# KiCad board Interrupter v1.2.kicad_pcb (continued)
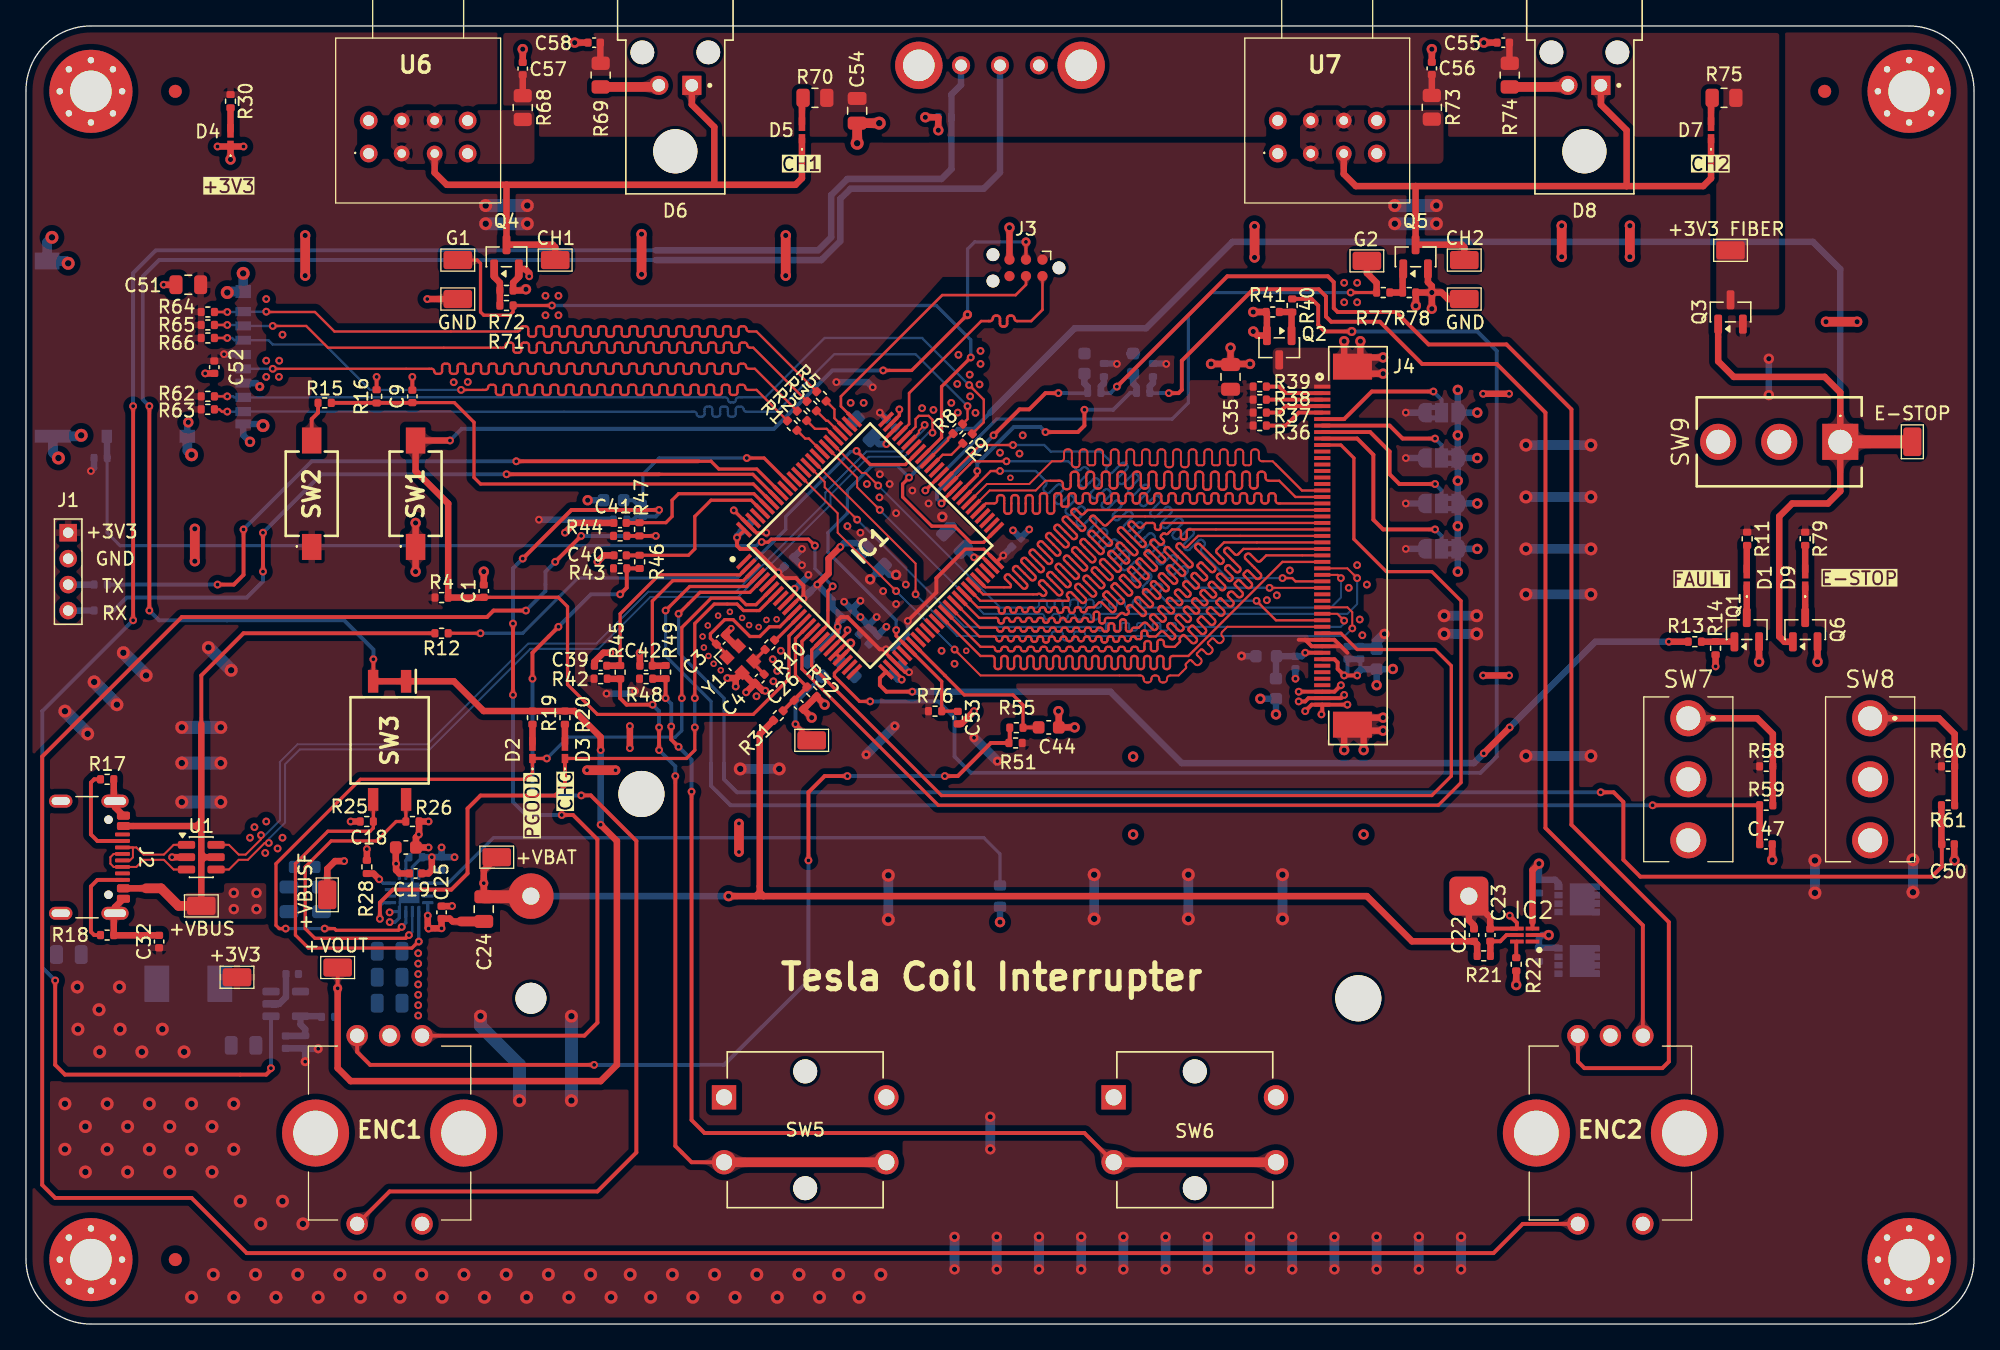
[diagram p0: board, top side]
## Routing (per net, layer and track width the routed paths; a pad name or vN(x,y) marks a point on that pad's centre or on a via; arc(x,y) is an arc through that point) (continued)
/MCU & Logic/FSMC_D6: length 57
  Top w0.18: J4.26 93.75,59.71 93.34,59.3 arc(93.21,59.25) 93.08,59.3 92.62,59.76 arc(92.5,59.81) 92.37,59.76 92.3,59.69 arc(92.25,59.57) 92.3,59.44 93.48,58.27 arc(93.53,58.14) 93.48,58.01 93.41,57.95 arc(93.28,57.9) 93.16,57.95 92.7,58.41 arc(92.57,58.46) 92.44,58.41 92.38,58.35 arc(92.33,58.22) 92.38,58.09 92.87,57.6 arc(92.93,57.47) 92.87,57.34 92.81,57.28 arc(92.68,57.23) 92.56,57.28 92.06,57.77 arc(91.94,57.83) 91.81,57.77 91.74,57.71 arc(91.69,57.58) 91.74,57.45 92.31,56.89 arc(92.36,56.76) 92.31,56.64 92.25,56.57 arc(92.12,56.52) 91.99,56.57 91.43,57.14 arc(91.3,57.19) 91.17,57.14 91.11,57.07 arc(91.06,56.95) 91.11,56.82 91.6,56.32 arc(91.65,56.2) 91.6,56.07 91.54,56.01 arc(91.41,55.95) 91.28,56.01 90.79,56.5 arc(90.66,56.55) 90.54,56.5 90.47,56.44 arc(90.42,56.31) 90.47,56.18 90.93,55.72 arc(90.98,55.6) 90.93,55.47 90.87,55.41 arc(90.74,55.35) 90.61,55.41 90.15,55.86 arc(90.03,55.92) 89.9,55.86 89.84,55.8 arc(89.78,55.67) 89.84,55.55 90.29,55.09 arc(90.35,54.96) 90.29,54.83 90.23,54.77 arc(90.1,54.72) 89.98,54.77 89.52,55.23 arc(89.39,55.28) 89.26,55.23 89.2,55.16 arc(89.15,55.04) 89.2,54.91 89.66,54.45 arc(89.71,54.32) 89.66,54.2 89.59,54.13 arc(89.47,54.08) 89.34,54.13 88.88,54.59 arc(88.75,54.64) 88.63,54.59 88.56,54.53 arc(88.51,54.4) 88.56,54.27 89.09,53.74 arc(89.14,53.62) 89.09,53.49 89.03,53.43 arc(88.9,53.37) 88.77,53.43 88.24,53.95 arc(88.12,54.01) 87.99,53.95 87.93,53.89 arc(87.87,53.76) 87.93,53.64 88.46,53.11 arc(88.51,52.98) 88.46,52.85 88.39,52.79 arc(88.26,52.74) 88.14,52.79 87.61,53.32 arc(87.48,53.37) 87.35,53.32 87,52.96 86.52,52.96 arc(86.39,53.02) 86.34,53.14 86.34,53.24 arc(86.28,53.37) 86.16,53.42 86.07,53.42 arc(85.94,53.37) 85.89,53.24 85.89,52.86 arc(85.86,52.79) 85.79,52.76 85.54,52.76 arc(85.47,52.79) 85.44,52.86 arc(85.41,52.94) 85.34,52.96 85.25,52.96 arc(85.12,52.91) 85.07,52.78 85.07,52.78 arc(85.01,52.66) 84.89,52.6 84.8,52.6 arc(84.67,52.66) 84.62,52.78 84.62,52.78 arc(84.56,52.91) 84.44,52.96 84.35,52.96 arc(84.22,52.91) 84.17,52.78 84.17,52.73 arc(84.11,52.61) 83.99,52.55 83.9,52.55 arc(83.77,52.61) 83.72,52.73 83.72,52.78 arc(83.66,52.91) 83.54,52.96 83.45,52.96 arc(83.32,52.91) 83.27,52.78 83.27,52.68 arc(83.21,52.56) 83.09,52.5 83,52.5 arc(82.87,52.56) 82.82,52.68 82.82,52.78 arc(82.76,52.91) 82.64,52.96 82.55,52.96 arc(82.42,52.91) 82.37,52.78 82.37,52.78 arc(82.31,52.66) 82.19,52.6 82.1,52.6 arc(81.97,52.66) 81.92,52.78 81.92,52.78 arc(81.86,52.91) 81.74,52.96 81.65,52.96 arc(81.52,52.91) 81.47,52.78 81.47,52.78 arc(81.41,52.66) 81.29,52.6 81.2,52.6 arc(81.07,52.66) 81.02,52.78 81.02,52.78 arc(80.96,52.91) 80.84,52.96 80.75,52.96 arc(80.62,52.91) 80.57,52.78 80.57,52.78 arc(80.51,52.66) 80.39,52.6 80.3,52.6 arc(80.17,52.66) 80.12,52.78 80.12,52.78 arc(80.06,52.91) 79.94,52.96 79.85,52.96 arc(79.72,52.91) 79.67,52.78 79.67,52.78 arc(79.61,52.66) 79.49,52.6 79.4,52.6 arc(79.27,52.66) 79.22,52.78 79.22,52.78 arc(79.16,52.91) 79.04,52.96 78.95,52.96 arc(78.82,52.91) 78.77,52.78 78.77,52.68 arc(78.71,52.56) 78.59,52.5 78.5,52.5 arc(78.37,52.56) 78.32,52.68 78.32,52.78 arc(78.26,52.91) 78.14,52.96 78.05,52.96 arc(77.92,52.91) 77.87,52.78 77.87,52.73 arc(77.81,52.61) 77.69,52.55 77.6,52.55 arc(77.47,52.61) 77.42,52.73 77.42,52.78 arc(77.36,52.91) 77.24,52.96 77.15,52.96 arc(77.02,52.91) 76.97,52.78 76.97,52.78 arc(76.91,52.66) 76.79,52.6 76.7,52.6 arc(76.57,52.66) 76.52,52.78 76.52,52.78 arc(76.46,52.91) 76.34,52.96 76.25,52.96 arc(76.12,52.91) 76.07,52.78 76.07,52.78 arc(76.01,52.66) 75.89,52.6 75.8,52.6 arc(75.67,52.66) 75.62,52.78 75.62,52.78 arc(75.56,52.91) 75.44,52.96 75.35,52.96 arc(75.22,52.91) 75.17,52.78 75.17,52.78 arc(75.11,52.66) 74.99,52.6 74.9,52.6 arc(74.77,52.66) 74.72,52.78 74.72,52.78 arc(74.66,52.91) 74.54,52.96 73.41,52.96 IC1.40
/MCU & Logic/FSMC_D7: length 57
  Top w0.18: IC1.41 73.44,53.64 74.65,53.64 arc(74.75,53.6) 74.79,53.5 arc(74.84,53.39) 74.94,53.35 75.1,53.35 arc(75.2,53.39) 75.24,53.5 arc(75.29,53.6) 75.39,53.64 75.55,53.64 arc(75.65,53.6) 75.69,53.5 arc(75.74,53.39) 75.84,53.35 76,53.35 arc(76.1,53.39) 76.14,53.5 arc(76.19,53.6) 76.29,53.64 76.45,53.64 arc(76.55,53.6) 76.59,53.5 arc(76.64,53.39) 76.74,53.35 76.9,53.35 arc(77,53.39) 77.04,53.5 arc(77.09,53.6) 77.19,53.64 77.35,53.64 arc(77.45,53.6) 77.49,53.5 arc(77.54,53.39) 77.64,53.35 77.8,53.35 arc(77.9,53.39) 77.94,53.5 arc(77.99,53.6) 78.09,53.64 78.25,53.64 arc(78.35,53.6) 78.39,53.5 arc(78.44,53.39) 78.54,53.35 78.7,53.35 arc(78.8,53.39) 78.84,53.5 arc(78.89,53.6) 78.99,53.64 79.15,53.64 arc(79.25,53.6) 79.29,53.5 arc(79.34,53.39) 79.44,53.35 79.6,53.35 arc(79.7,53.39) 79.74,53.5 arc(79.79,53.6) 79.89,53.64 80.05,53.64 arc(80.15,53.6) 80.19,53.5 arc(80.24,53.39) 80.34,53.35 80.5,53.35 arc(80.6,53.39) 80.64,53.5 arc(80.69,53.6) 80.79,53.64 80.95,53.64 arc(81.05,53.6) 81.09,53.5 arc(81.14,53.39) 81.24,53.35 81.4,53.35 arc(81.5,53.39) 81.54,53.5 arc(81.59,53.6) 81.69,53.64 81.85,53.64 arc(81.95,53.6) 81.99,53.5 arc(82.04,53.39) 82.14,53.35 82.3,53.35 arc(82.4,53.39) 82.44,53.5 arc(82.49,53.6) 82.59,53.64 82.75,53.64 arc(82.85,53.6) 82.9,53.5 arc(82.94,53.39) 83.04,53.35 83.2,53.35 arc(83.31,53.39) 83.35,53.5 83.35,53.81 arc(83.4,53.94) 83.52,53.99 83.63,53.99 arc(83.75,53.94) 83.8,53.81 83.8,53.49 arc(83.84,53.39) 83.95,53.35 84.1,53.35 arc(84.21,53.39) 84.25,53.49 84.25,54.11 arc(84.3,54.23) 84.43,54.29 84.52,54.29 arc(84.65,54.23) 84.7,54.11 84.7,53.5 arc(84.74,53.39) 84.85,53.35 85,53.35 arc(85.11,53.39) 85.15,53.5 arc(85.19,53.6) 85.3,53.64 85.68,53.64 86.03,54 arc(86.16,54.05) 86.29,54 86.77,53.51 arc(86.9,53.46) 87.02,53.51 87.09,53.57 arc(87.14,53.7) 87.09,53.83 86.6,54.31 arc(86.55,54.44) 86.6,54.57 86.67,54.63 arc(86.79,54.68) 86.92,54.63 87.41,54.15 arc(87.53,54.09) 87.66,54.15 87.72,54.21 arc(87.78,54.34) 87.72,54.47 87.24,54.95 arc(87.19,55.08) 87.24,55.2 87.3,55.27 arc(87.43,55.32) 87.56,55.27 88.04,54.78 arc(88.17,54.73) 88.3,54.78 88.36,54.85 arc(88.41,54.97) 88.36,55.1 87.88,55.59 arc(87.82,55.71) 87.88,55.84 87.94,55.9 arc(88.07,55.96) 88.19,55.9 88.68,55.42 arc(88.81,55.37) 88.93,55.42 89,55.48 arc(89.05,55.61) 89,55.74 88.51,56.22 arc(88.46,56.35) 88.51,56.48 88.58,56.54 arc(88.7,56.59) 88.83,56.54 89.32,56.06 arc(89.44,56) 89.57,56.06 89.63,56.12 arc(89.69,56.25) 89.63,56.37 89.15,56.86 arc(89.1,56.99) 89.15,57.11 89.21,57.18 arc(89.34,57.23) 89.47,57.18 89.95,56.69 arc(90.08,56.64) 90.21,56.69 90.27,56.76 arc(90.32,56.88) 90.27,57.01 89.79,57.5 arc(89.73,57.62) 89.79,57.75 89.85,57.81 arc(89.98,57.87) 90.1,57.81 90.59,57.33 arc(90.72,57.28) 90.84,57.33 90.91,57.39 arc(90.96,57.52) 90.91,57.65 90.22,58.33 arc(90.19,58.4) 90.22,58.47 90.4,58.65 arc(90.47,58.68) 90.54,58.65 91.22,57.97 arc(91.35,57.91) 91.48,57.97 91.54,58.03 arc(91.59,58.16) 91.54,58.28 90.07,59.75 arc(90.02,59.88) 90.07,60.01 90.14,60.07 arc(90.26,60.12) 90.39,60.07 91.86,58.6 arc(91.99,58.55) 92.11,58.6 92.18,58.67 arc(92.23,58.79) 92.18,58.92 91.69,59.4 arc(91.64,59.53) 91.69,59.66 92.25,60.21 J4.25
/MCU & Logic/FSMC_D8: length 57
  Top w0.18: IC1.42 73.39,54.4 74.7,54.4 arc(74.82,54.35) 74.87,54.23 74.87,54.15 arc(74.92,54.03) 75.05,53.97 75.13,53.97 arc(75.25,54.03) 75.3,54.15 75.3,54.23 arc(75.36,54.35) 75.48,54.4 75.56,54.4 arc(75.67,54.35) 75.72,54.24 arc(75.76,54.14) 75.87,54.09 76,54.09 arc(76.1,54.14) 76.15,54.24 arc(76.2,54.35) 76.3,54.4 76.43,54.4 arc(76.54,54.35) 76.58,54.24 arc(76.63,54.14) 76.74,54.09 76.86,54.09 arc(76.97,54.14) 77.01,54.24 arc(77.06,54.35) 77.17,54.4 77.29,54.4 arc(77.4,54.35) 77.45,54.24 arc(77.49,54.14) 77.6,54.09 77.72,54.09 arc(77.83,54.14) 77.88,54.24 arc(77.92,54.35) 78.03,54.4 78.16,54.4 arc(78.28,54.35) 78.33,54.23 78.33,54.2 arc(78.38,54.08) 78.5,54.02 78.59,54.02 arc(78.71,54.08) 78.76,54.2 78.76,54.23 arc(78.81,54.35) 78.93,54.4 79.02,54.4 arc(79.14,54.35) 79.19,54.23 79.19,54.2 arc(79.24,54.08) 79.37,54.02 79.45,54.02 arc(79.57,54.08) 79.62,54.2 79.62,54.23 arc(79.68,54.35) 79.8,54.4 79.88,54.4 arc(79.99,54.35) 80.04,54.24 arc(80.08,54.14) 80.19,54.09 80.32,54.09 arc(80.42,54.14) 80.47,54.24 arc(80.52,54.35) 80.62,54.4 80.75,54.4 arc(80.86,54.35) 80.9,54.24 arc(80.95,54.14) 81.06,54.09 81.18,54.09 arc(81.29,54.14) 81.33,54.24 arc(81.38,54.35) 81.49,54.4 81.61,54.4 arc(81.72,54.35) 81.77,54.24 arc(81.82,54.13) 81.93,54.08 82.06,54.08 arc(82.17,54.13) 82.22,54.24 82.22,54.7 arc(82.27,54.82) 82.39,54.87 82.48,54.87 arc(82.6,54.82) 82.65,54.7 82.65,54.15 arc(82.7,54.03) 82.82,53.97 82.91,53.97 arc(83.03,54.03) 83.08,54.15 83.08,54.23 arc(83.13,54.35) 83.25,54.4 83.93,54.4 84.28,54.74 arc(84.4,54.79) 84.52,54.74 84.58,54.68 arc(84.7,54.63) 84.82,54.68 84.88,54.75 arc(84.93,54.87) 84.88,54.99 84.83,55.05 arc(84.77,55.17) 84.83,55.29 84.89,55.35 arc(85.01,55.4) 85.13,55.35 85.89,54.59 arc(86.02,54.54) 86.14,54.59 86.2,54.65 arc(86.25,54.77) 86.2,54.89 85.44,55.66 arc(85.39,55.78) 85.44,55.9 85.5,55.96 arc(85.62,56.01) 85.74,55.96 86.43,55.27 arc(86.56,55.22) 86.68,55.27 86.74,55.33 arc(86.79,55.45) 86.74,55.58 86.05,56.27 arc(86,56.39) 86.05,56.51 86.11,56.57 arc(86.23,56.62) 86.35,56.57 87.01,55.92 arc(87.13,55.87) 87.25,55.92 87.31,55.98 arc(87.37,56.1) 87.31,56.22 86.66,56.88 arc(86.61,57) 86.66,57.12 86.72,57.18 arc(86.84,57.23) 86.96,57.18 87.66,56.49 arc(87.78,56.44) 87.9,56.49 87.96,56.55 arc(88.01,56.67) 87.96,56.8 87.27,57.49 arc(87.22,57.61) 87.27,57.73 87.33,57.79 arc(87.45,57.85) 87.57,57.79 88.3,57.07 arc(88.42,57.02) 88.55,57.07 88.61,57.13 arc(88.66,57.25) 88.61,57.37 87.88,58.1 arc(87.83,58.22) 87.88,58.34 87.94,58.41 arc(88.06,58.46) 88.19,58.41 88.91,57.68 arc(89.03,57.63) 89.16,57.68 89.22,57.74 arc(89.27,57.86) 89.22,57.98 87.7,59.51 arc(87.65,59.63) 87.7,59.75 87.76,59.81 arc(87.88,59.86) 88,59.81 89.49,58.32 arc(89.61,58.27) 89.73,58.32 89.79,58.39 arc(89.84,58.51) 89.79,58.63 88.62,59.8 arc(88.57,59.92) 88.62,60.04 88.69,60.1 arc(88.81,60.15) 88.93,60.1 89.16,59.87 arc(89.29,59.82) 89.41,59.87 90.25,60.71 J4.24
/MCU & Logic/FSMC_D9: length 57
  Top w0.18: IC1.43 73.29,55.21 74.73,55.21 arc(74.86,55.16) 74.91,55.03 74.91,54.92 arc(74.96,54.79) 75.09,54.74 75.18,54.74 arc(75.31,54.79) 75.36,54.92 75.36,55.03 arc(75.41,55.16) 75.54,55.21 75.63,55.21 arc(75.76,55.16) 75.81,55.03 75.81,54.97 arc(75.86,54.84) 75.99,54.79 76.08,54.79 arc(76.21,54.84) 76.26,54.97 76.26,55.03 arc(76.31,55.16) 76.44,55.21 76.53,55.21 arc(76.66,55.16) 76.71,55.03 76.71,55.02 arc(76.76,54.89) 76.89,54.84 76.98,54.84 arc(77.11,54.89) 77.16,55.02 77.16,55.03 arc(77.21,55.16) 77.34,55.21 77.43,55.21 arc(77.56,55.16) 77.61,55.03 77.61,55.02 arc(77.66,54.89) 77.79,54.84 77.88,54.84 arc(78.01,54.89) 78.06,55.02 78.06,55.03 arc(78.11,55.16) 78.24,55.21 78.33,55.21 arc(78.46,55.16) 78.51,55.03 78.51,55.02 arc(78.56,54.89) 78.69,54.84 78.78,54.84 arc(78.91,54.89) 78.96,55.02 78.96,55.03 arc(79.01,55.16) 79.14,55.21 79.23,55.21 arc(79.36,55.16) 79.41,55.03 79.41,54.97 arc(79.46,54.84) 79.59,54.79 79.68,54.79 arc(79.81,54.84) 79.86,54.97 79.86,55.03 arc(79.91,55.16) 80.04,55.21 80.13,55.21 arc(80.26,55.16) 80.31,55.03 80.31,54.97 arc(80.36,54.84) 80.49,54.79 80.58,54.79 arc(80.71,54.84) 80.76,54.97 80.76,55.03 arc(80.81,55.16) 80.94,55.21 81.03,55.21 arc(81.16,55.16) 81.21,55.03 81.21,55.02 arc(81.26,54.89) 81.39,54.84 81.48,54.84 arc(81.61,54.89) 81.66,55.02 81.66,55.03 arc(81.71,55.16) 81.84,55.21 82.25,55.21 82.6,55.57 arc(82.73,55.62) 82.86,55.57 83.54,54.88 arc(83.67,54.83) 83.8,54.88 83.86,54.95 arc(83.91,55.07) 83.86,55.2 82.97,56.09 arc(82.94,56.17) 82.97,56.25 83.13,56.41 arc(83.21,56.44) 83.29,56.41 84.18,55.52 arc(84.31,55.47) 84.43,55.52 84.5,55.58 arc(84.55,55.71) 84.5,55.84 83.61,56.73 arc(83.57,56.81) 83.61,56.88 83.77,57.05 arc(83.85,57.08) 83.93,57.05 84.81,56.16 arc(84.94,56.1) 85.07,56.16 85.13,56.22 arc(85.19,56.35) 85.13,56.47 84.24,57.36 arc(84.21,57.44) 84.24,57.52 84.41,57.68 arc(84.48,57.72) 84.56,57.68 85.45,56.79 arc(85.58,56.74) 85.71,56.79 85.77,56.86 arc(85.82,56.98) 85.77,57.11 84.88,58 arc(84.85,58.08) 84.88,58.16 85.04,58.32 arc(85.12,58.35) 85.2,58.32 86.09,57.43 arc(86.22,57.38) 86.34,57.43 86.41,57.49 arc(86.46,57.62) 86.41,57.75 85.52,58.64 arc(85.48,58.72) 85.52,58.79 85.68,58.96 arc(85.76,58.99) 85.83,58.96 86.72,58.07 arc(86.85,58.01) 86.98,58.07 87.04,58.13 arc(87.1,58.26) 87.04,58.38 86.15,59.27 arc(86.12,59.35) 86.15,59.43 86.31,59.59 arc(86.39,59.62) 86.47,59.59 87.36,58.7 arc(87.49,58.65) 87.62,58.7 87.68,58.77 arc(87.73,58.89) 87.68,59.02 86.62,60.08 arc(86.57,60.2) 86.62,60.33 86.69,60.4 arc(86.81,60.45) 86.94,60.4 87.28,60.05 arc(87.38,60.01) 87.47,60.05 87.6,60.18 arc(87.64,60.28) 87.6,60.37 87.41,60.56 arc(87.37,60.66) 87.41,60.75 87.54,60.88 arc(87.63,60.92) 87.73,60.88 arc(87.82,60.84) 87.92,60.88 88.25,61.21 88.75,61.21 arc(88.88,61.16) 88.93,61.03 88.93,60.62 arc(88.98,60.49) 89.11,60.44 89.2,60.44 arc(89.33,60.49) 89.38,60.62 89.38,61.03 arc(89.43,61.16) 89.56,61.21 J4.23
/MCU & Logic/FSMC_D10: length 57
  Top w0.18: IC1.44 73.49,55.71 80.25,55.71 arc(80.3,55.84) 80.25,55.97 80.2,56.02 arc(80.14,56.15) 80.2,56.28 80.26,56.34 arc(80.39,56.39) 80.51,56.34 81.27,55.59 arc(81.39,55.54) 81.52,55.59 81.58,55.65 arc(81.64,55.78) 81.58,55.91 80.83,56.66 arc(80.78,56.79) 80.83,56.91 80.9,56.98 arc(81.02,57.03) 81.15,56.98 82.04,56.08 arc(82.17,56.03) 82.3,56.08 82.36,56.15 arc(82.41,56.28) 82.36,56.4 81.47,57.3 arc(81.42,57.42) 81.47,57.55 81.53,57.61 arc(81.66,57.67) 81.79,57.61 82.68,56.72 arc(82.81,56.67) 82.93,56.72 83,56.78 arc(83.05,56.91) 83,57.04 82.11,57.93 arc(82.05,58.06) 82.11,58.19 82.17,58.25 arc(82.3,58.3) 82.42,58.25 83.32,57.36 arc(83.44,57.3) 83.57,57.36 83.63,57.42 arc(83.69,57.55) 83.63,57.68 82.74,58.57 arc(82.69,58.7) 82.74,58.82 82.81,58.89 arc(82.93,58.94) 83.06,58.89 83.95,57.99 arc(84.08,57.94) 84.21,57.99 84.27,58.06 arc(84.32,58.18) 84.27,58.31 83.38,59.21 arc(83.33,59.33) 83.38,59.46 83.44,59.52 arc(83.57,59.58) 83.7,59.52 84.59,58.63 arc(84.72,58.58) 84.84,58.63 84.91,58.69 arc(84.96,58.82) 84.91,58.95 84.01,59.84 arc(83.96,59.97) 84.01,60.1 84.08,60.16 arc(84.21,60.21) 84.33,60.16 85.23,59.27 arc(85.35,59.21) 85.48,59.27 85.54,59.33 arc(85.6,59.46) 85.54,59.58 84.12,61.01 arc(84.07,61.14) 84.12,61.26 84.18,61.33 arc(84.31,61.38) 84.44,61.33 85.86,59.9 arc(85.99,59.85) 86.12,59.9 86.18,59.97 arc(86.23,60.09) 86.18,60.22 84.93,61.47 arc(84.88,61.6) 84.93,61.72 85,61.79 arc(85.12,61.84) 85.25,61.79 85.66,61.38 arc(85.79,61.33) 85.91,61.38 86.25,61.71 86.75,61.71 arc(86.88,61.66) 86.93,61.53 86.93,61.36 arc(86.98,61.23) 87.11,61.18 87.2,61.18 arc(87.33,61.23) 87.38,61.36 87.38,61.53 arc(87.43,61.66) 87.56,61.71 J4.22
/MCU & Logic/FSMC_D11: length 57
  Top w0.18: J4.21 83.88,62.21 83.22,61.56 arc(83.09,61.51) 82.97,61.56 82.29,62.24 arc(82.16,62.29) 82.03,62.24 81.97,62.17 arc(81.92,62.05) 81.97,61.92 83.58,60.31 arc(83.63,60.18) 83.58,60.06 83.52,59.99 arc(83.39,59.94) 83.26,59.99 82.18,61.07 arc(82.06,61.12) 81.93,61.07 81.86,61.01 arc(81.81,60.88) 81.86,60.75 82.94,59.67 arc(83,59.55) 82.94,59.42 82.88,59.36 arc(82.75,59.3) 82.63,59.36 81.55,60.43 arc(81.42,60.49) 81.29,60.43 81.23,60.37 arc(81.18,60.24) 81.23,60.12 82.31,59.04 arc(82.36,58.91) 82.31,58.78 82.24,58.72 arc(82.12,58.67) 81.99,58.72 80.91,59.8 arc(80.78,59.85) 80.66,59.8 80.59,59.73 arc(80.54,59.61) 80.59,59.48 81.67,58.4 arc(81.72,58.27) 81.67,58.15 81.61,58.08 arc(81.48,58.03) 81.35,58.08 80.27,59.16 arc(80.15,59.21) 80.02,59.16 79.96,59.1 arc(79.9,58.97) 79.96,58.84 81.03,57.76 arc(81.09,57.64) 81.03,57.51 80.97,57.45 arc(80.84,57.39) 80.72,57.45 79.64,58.53 arc(79.51,58.58) 79.38,58.53 79.32,58.46 arc(79.27,58.33) 79.32,58.21 80.4,57.13 arc(80.45,57) 80.4,56.87 80.33,56.81 arc(80.21,56.76) 80.08,56.81 79,57.89 arc(78.87,57.94) 78.75,57.89 78.68,57.82 arc(78.63,57.7) 78.68,57.57 79.76,56.49 arc(79.81,56.36) 79.76,56.24 79.7,56.17 arc(79.57,56.12) 79.44,56.17 78.36,57.25 arc(78.24,57.3) 78.11,57.25 78.05,57.19 arc(77.99,57.06) 78.05,56.93 78.52,56.46 arc(78.58,56.33) 78.52,56.2 78.46,56.14 arc(78.33,56.09) 78.21,56.14 78.13,56.21 arc(78,56.27) 77.88,56.21 73.7,56.21 IC1.45
/MCU & Logic/FSMC_D12: length 57
  Top w0.18: IC1.46 73.87,56.76 75.79,56.76 arc(75.84,56.88) 75.79,57.01 75.41,57.39 arc(75.36,57.52) 75.41,57.65 75.47,57.71 arc(75.6,57.77) 75.73,57.71 76.75,56.69 arc(76.88,56.64) 77,56.69 77.07,56.75 arc(77.12,56.88) 77.07,57.01 76.04,58.03 arc(75.99,58.16) 76.04,58.29 76.11,58.35 arc(76.24,58.4) 76.36,58.35 77.38,57.33 arc(77.51,57.27) 77.64,57.33 77.7,57.39 arc(77.76,57.52) 77.7,57.65 76.68,58.67 arc(76.63,58.79) 76.68,58.92 76.75,58.99 arc(76.87,59.04) 77,58.99 78.02,57.96 arc(78.15,57.91) 78.28,57.96 78.34,58.03 arc(78.39,58.15) 78.34,58.28 77.32,59.3 arc(77.27,59.43) 77.32,59.56 77.38,59.62 arc(77.51,59.67) 77.64,59.62 78.66,58.6 arc(78.78,58.55) 78.91,58.6 78.98,58.66 arc(79.03,58.79) 78.98,58.92 77.95,59.94 arc(77.9,60.07) 77.95,60.19 78.02,60.26 arc(78.15,60.31) 78.27,60.26 79.29,59.24 arc(79.42,59.18) 79.55,59.24 79.61,59.3 arc(79.66,59.43) 79.61,59.56 78.59,60.58 arc(78.54,60.7) 78.59,60.83 78.65,60.89 arc(78.78,60.95) 78.91,60.89 79.93,59.87 arc(80.06,59.82) 80.18,59.87 80.25,59.94 arc(80.3,60.06) 80.25,60.19 79.23,61.21 arc(79.17,61.34) 79.23,61.47 79.29,61.53 arc(79.42,61.58) 79.55,61.53 80.57,60.51 arc(80.69,60.46) 80.82,60.51 80.88,60.57 arc(80.94,60.7) 80.88,60.83 79.86,61.85 arc(79.81,61.98) 79.86,62.1 79.93,62.17 arc(80.05,62.22) 80.18,62.17 81.2,61.15 arc(81.33,61.09) 81.46,61.15 81.52,61.21 arc(81.57,61.34) 81.52,61.46 80.54,62.45 arc(80.48,62.58) 80.54,62.7 80.6,62.77 arc(80.73,62.82) 80.85,62.77 81.2,62.42 arc(81.33,62.37) 81.46,62.42 81.75,62.71 J4.20
/MCU & Logic/FSMC_D13: length 57
  Top w0.18: IC1.55 73.91,63.21 74.55,63.21 arc(74.71,63.28) 74.77,63.43 74.77,63.64 arc(74.84,63.79) 74.99,63.86 75.1,63.86 arc(75.26,63.79) 75.32,63.64 75.32,62.64 arc(75.39,62.48) 75.54,62.42 75.65,62.42 arc(75.81,62.48) 75.87,62.64 75.87,63.64 arc(75.94,63.79) 76.09,63.86 76.2,63.86 arc(76.36,63.79) 76.42,63.64 76.42,62.64 arc(76.49,62.48) 76.64,62.42 76.75,62.42 arc(76.91,62.48) 76.97,62.64 76.97,63.64 arc(77.04,63.79) 77.19,63.86 77.3,63.86 arc(77.46,63.79) 77.52,63.64 77.52,62.64 arc(77.59,62.48) 77.74,62.42 77.85,62.42 arc(78.01,62.48) 78.07,62.64 78.07,63.79 arc(78.14,63.94) 78.29,64.01 78.4,64.01 arc(78.56,63.94) 78.62,63.79 78.62,62.64 arc(78.69,62.48) 78.84,62.42 78.95,62.42 arc(79.11,62.48) 79.17,62.64 79.17,63.79 arc(79.24,63.94) 79.39,64.01 79.5,64.01 arc(79.66,63.94) 79.72,63.79 79.72,63.09 arc(79.76,63.01) 79.85,62.97 80.15,62.97 arc(80.24,63.01) 80.27,63.09 80.27,63.79 arc(80.34,63.94) 80.49,64.01 80.6,64.01 arc(80.76,63.94) 80.82,63.79 80.82,63.43 arc(80.89,63.28) 81.04,63.21 81.15,63.21 arc(81.31,63.28) 81.37,63.43 81.37,63.79 arc(81.44,63.94) 81.59,64.01 81.7,64.01 arc(81.86,63.94) 81.92,63.79 81.92,63.43 arc(81.99,63.28) 82.14,63.21 82.25,63.21 arc(82.41,63.28) 82.47,63.43 82.47,63.79 arc(82.54,63.94) 82.69,64.01 82.8,64.01 arc(82.96,63.94) 83.02,63.79 83.02,63.43 arc(83.09,63.28) 83.24,63.21 83.35,63.21 arc(83.51,63.28) 83.57,63.43 83.57,63.79 arc(83.64,63.94) 83.79,64.01 83.9,64.01 arc(84.06,63.94) 84.12,63.79 84.12,63.43 arc(84.19,63.28) 84.34,63.21 84.45,63.21 arc(84.61,63.28) 84.67,63.43 84.67,63.79 arc(84.74,63.94) 84.89,64.01 85,64.01 arc(85.16,63.94) 85.22,63.79 85.22,63.43 arc(85.29,63.28) 85.44,63.21 85.55,63.21 arc(85.71,63.28) 85.77,63.43 85.77,63.79 arc(85.84,63.94) 85.99,64.01 86.1,64.01 arc(86.26,63.94) 86.32,63.79 86.32,63.43 arc(86.39,63.28) 86.54,63.21 86.65,63.21 arc(86.81,63.28) 86.87,63.43 86.87,63.79 arc(86.94,63.94) 87.09,64.01 87.2,64.01 arc(87.36,63.94) 87.42,63.79 87.42,63.43 arc(87.49,63.28) 87.64,63.21 87.75,63.21 arc(87.91,63.28) 87.97,63.43 87.97,63.79 arc(88.04,63.94) 88.19,64.01 88.3,64.01 arc(88.46,63.94) 88.52,63.79 88.52,63.43 arc(88.59,63.28) 88.74,63.21 88.85,63.21 arc(89.01,63.28) 89.07,63.43 89.07,63.79 arc(89.14,63.94) 89.29,64.01 89.4,64.01 arc(89.56,63.94) 89.62,63.79 89.62,63.43 arc(89.69,63.28) 89.84,63.21 89.95,63.21 arc(90.11,63.28) 90.17,63.43 90.17,63.79 arc(90.24,63.94) 90.39,64.01 90.5,64.01 arc(90.66,63.94) 90.72,63.79 90.72,63.43 arc(90.79,63.28) 90.94,63.21 91.05,63.21 arc(91.21,63.28) 91.27,63.43 91.27,63.79 arc(91.34,63.94) 91.49,64.01 91.6,64.01 arc(91.76,63.94) 91.82,63.79 91.82,63.43 arc(91.89,63.28) 92.04,63.21 92.15,63.21 arc(92.31,63.28) 92.37,63.43 92.37,63.79 arc(92.44,63.94) 92.59,64.01 92.7,64.01 arc(92.86,63.94) 92.92,63.79 92.92,63.43 arc(92.99,63.28) 93.14,63.21 93.25,63.21 arc(93.41,63.28) 93.47,63.43 93.47,63.79 arc(93.54,63.94) 93.69,64.01 93.8,64.01 arc(93.96,63.94) 94.02,63.79 94.02,63.43 arc(94.09,63.28) 94.24,63.21 94.35,63.21 arc(94.51,63.28) 94.57,63.43 94.57,63.79 arc(94.64,63.94) 94.79,64.01 94.9,64.01 arc(95.06,63.94) 95.12,63.79 95.12,63.43 arc(95.19,63.28) 95.34,63.21 95.45,63.21 arc(95.61,63.28) 95.67,63.43 95.67,63.79 arc(95.74,63.94) 95.89,64.01 96,64.01 arc(96.16,63.94) 96.22,63.79 96.22,63.43 arc(96.29,63.28) 96.44,63.21 J4.19
/MCU & Logic/FSMC_D14: length 57
  Top w0.152: 78.9,64.96 78.5,64.96 77.75,64.21 74.2,64.21 IC1.56
  Top w0.18: J4.18 97.75,63.71 96.5,64.96 95.68,64.96 arc(95.51,65.03) 95.44,65.2 95.44,65.42 arc(95.37,65.59) 95.2,65.66 95.08,65.66 arc(94.91,65.59) 94.84,65.42 94.84,64.61 arc(94.77,64.44) 94.6,64.37 94.48,64.37 arc(94.31,64.44) 94.24,64.61 94.24,65.42 arc(94.17,65.59) 94,65.66 93.88,65.66 arc(93.71,65.59) 93.64,65.42 93.64,64.56 arc(93.57,64.39) 93.4,64.32 93.28,64.32 arc(93.11,64.39) 93.04,64.56 93.04,65.42 arc(92.97,65.59) 92.8,65.66 92.68,65.66 arc(92.51,65.59) 92.44,65.42 92.44,64.51 arc(92.37,64.34) 92.2,64.27 92.08,64.27 arc(91.91,64.34) 91.84,64.51 91.84,65.42 arc(91.77,65.59) 91.6,65.66 91.48,65.66 arc(91.31,65.59) 91.24,65.42 91.24,64.51 arc(91.17,64.34) 91,64.27 90.88,64.27 arc(90.71,64.34) 90.64,64.51 90.64,65.42 arc(90.57,65.59) 90.4,65.66 90.28,65.66 arc(90.11,65.59) 90.04,65.42 90.04,64.56 arc(89.97,64.39) 89.8,64.32 89.68,64.32 arc(89.51,64.39) 89.44,64.56 89.44,65.42 arc(89.37,65.59) 89.2,65.66 89.08,65.66 arc(88.91,65.59) 88.84,65.42 88.84,64.61 arc(88.77,64.44) 88.6,64.37 88.48,64.37 arc(88.31,64.44) 88.24,64.61 88.24,65.42 arc(88.17,65.59) 88,65.66 87.88,65.66 arc(87.71,65.59) 87.64,65.42 87.64,64.61 arc(87.57,64.44) 87.4,64.37 87.28,64.37 arc(87.11,64.44) 87.04,64.61 87.04,65.42 arc(86.97,65.59) 86.8,65.66 86.68,65.66 arc(86.51,65.59) 86.44,65.42 86.44,64.61 arc(86.37,64.44) 86.2,64.37 86.08,64.37 arc(85.91,64.44) 85.84,64.61 85.84,65.42 arc(85.77,65.59) 85.6,65.66 85.48,65.66 arc(85.31,65.59) 85.24,65.42 85.24,64.61 arc(85.17,64.44) 85,64.37 84.88,64.37 arc(84.71,64.44) 84.64,64.61 84.64,65.42 arc(84.57,65.59) 84.4,65.66 84.28,65.66 arc(84.11,65.59) 84.04,65.42 84.04,64.61 arc(83.97,64.44) 83.8,64.37 83.68,64.37 arc(83.51,64.44) 83.44,64.61 83.44,65.42 arc(83.37,65.59) 83.2,65.66 83.08,65.66 arc(82.91,65.59) 82.84,65.42 82.84,64.61 arc(82.77,64.44) 82.6,64.37 82.48,64.37 arc(82.31,64.44) 82.24,64.61 82.24,65.42 arc(82.17,65.59) 82,65.66 81.88,65.66 arc(81.71,65.59) 81.64,65.42 81.64,64.61 arc(81.57,64.44) 81.4,64.37 81.28,64.37 arc(81.11,64.44) 81.04,64.61 81.04,65.42 arc(80.97,65.59) 80.8,65.66 80.68,65.66 arc(80.51,65.59) 80.44,65.42 80.44,64.56 arc(80.37,64.39) 80.2,64.32 80.08,64.32 arc(79.91,64.39) 79.84,64.56 79.84,64.72 arc(79.77,64.89) 79.6,64.96 78.9,64.96
/MCU & Logic/FSMC_D15: length 57
  Top w0.152: 96.25,66.21 96,66.46 95.17,66.46 arc(95,66.53) 94.93,66.7 94.93,67.14 arc(94.86,67.31) 94.69,67.38 94.57,67.38 arc(94.4,67.31) 94.33,67.14 94.33,66.31 arc(94.29,66.2) 94.18,66.16 93.89,66.16 arc(93.78,66.2) 93.73,66.31 93.73,67.14 arc(93.66,67.31) 93.49,67.38 93.37,67.38 arc(93.2,67.31) 93.13,67.14 93.13,66.31 arc(93.09,66.2) 92.98,66.16 92.69,66.16 arc(92.58,66.2) 92.53,66.31 92.53,67.14 arc(92.46,67.31) 92.29,67.38 92.17,67.38 arc(92,67.31) 91.93,67.14 91.93,66.31 arc(91.89,66.2) 91.78,66.16 91.49,66.16 arc(91.38,66.2) 91.33,66.31 91.33,67.14 arc(91.26,67.31) 91.09,67.38 90.97,67.38 arc(90.8,67.31) 90.73,67.14 90.73,66.31 arc(90.69,66.2) 90.58,66.16 90.29,66.16 arc(90.18,66.2) 90.13,66.31 90.13,67.14 arc(90.06,67.31) 89.89,67.38 89.77,67.38 arc(89.6,67.31) 89.53,67.14 89.53,66.23 arc(89.46,66.07) 89.3,66 89.16,66 arc(89,66.07) 88.93,66.23 88.93,67.14 arc(88.86,67.31) 88.69,67.38 88.57,67.38 arc(88.4,67.31) 88.33,67.14 88.33,66.23 arc(88.26,66.07) 88.1,66 87.96,66 arc(87.8,66.07) 87.73,66.23 87.73,67.14 arc(87.66,67.31) 87.49,67.38 87.37,67.38 arc(87.2,67.31) 87.13,67.14 87.13,66.31 arc(87.09,66.2) 86.98,66.16 86.69,66.16 arc(86.58,66.2) 86.53,66.31 86.53,67.14 arc(86.46,67.31) 86.29,67.38 86.17,67.38 arc(86,67.31) 85.93,67.14 85.93,66.31 arc(85.89,66.2) 85.78,66.16 85.49,66.16 arc(85.38,66.2) 85.33,66.31 85.33,67.14 arc(85.26,67.31) 85.09,67.38 84.97,67.38 arc(84.8,67.31) 84.73,67.14 84.73,66.31 arc(84.69,66.2) 84.58,66.16 84.29,66.16 arc(84.18,66.2) 84.13,66.31 84.13,67.14 arc(84.06,67.31) 83.89,67.38 83.77,67.38 arc(83.6,67.31) 83.53,67.14 83.53,66.31 arc(83.49,66.2) 83.38,66.16 83.09,66.16 arc(82.98,66.2) 82.93,66.31 82.93,67.14 arc(82.86,67.31) 82.69,67.38 82.57,67.38 arc(82.4,67.31) 82.33,67.14 82.33,66.31 arc(82.29,66.2) 82.18,66.16 81.89,66.16 arc(81.78,66.2) 81.73,66.31 81.73,67.14 arc(81.66,67.31) 81.49,67.38 81.37,67.38 arc(81.2,67.31) 81.13,67.14 81.13,66.23 arc(81.06,66.07) 80.9,66 80.76,66 arc(80.6,66.07) 80.53,66.23 80.53,67.14 arc(80.46,67.31) 80.29,67.38 80.17,67.38 arc(80,67.31) 79.93,67.14 79.93,66.7 arc(79.86,66.53) 79.69,66.46 79,66.46 77.25,64.71 73.99,64.71 IC1.57
  Top w0.18: 96.25,66.21 98.25,64.21 J4.17
